# Altium PCB tinyCore.PcbDoc
Units mil, origin at the board's own origin, x right, y up, seen from the top; angles counter-clockwise.
Board outline 1900.96 x 1900.96 mil, 4 copper layers (Top Copper, Signal Layer 1, Signal Layer 2, Bottom Copper), stack 61.811 mil thick; 57 components, 45 nets, 264 pads, 90 vias.
Unrouted connection lines stored in the file: 6.
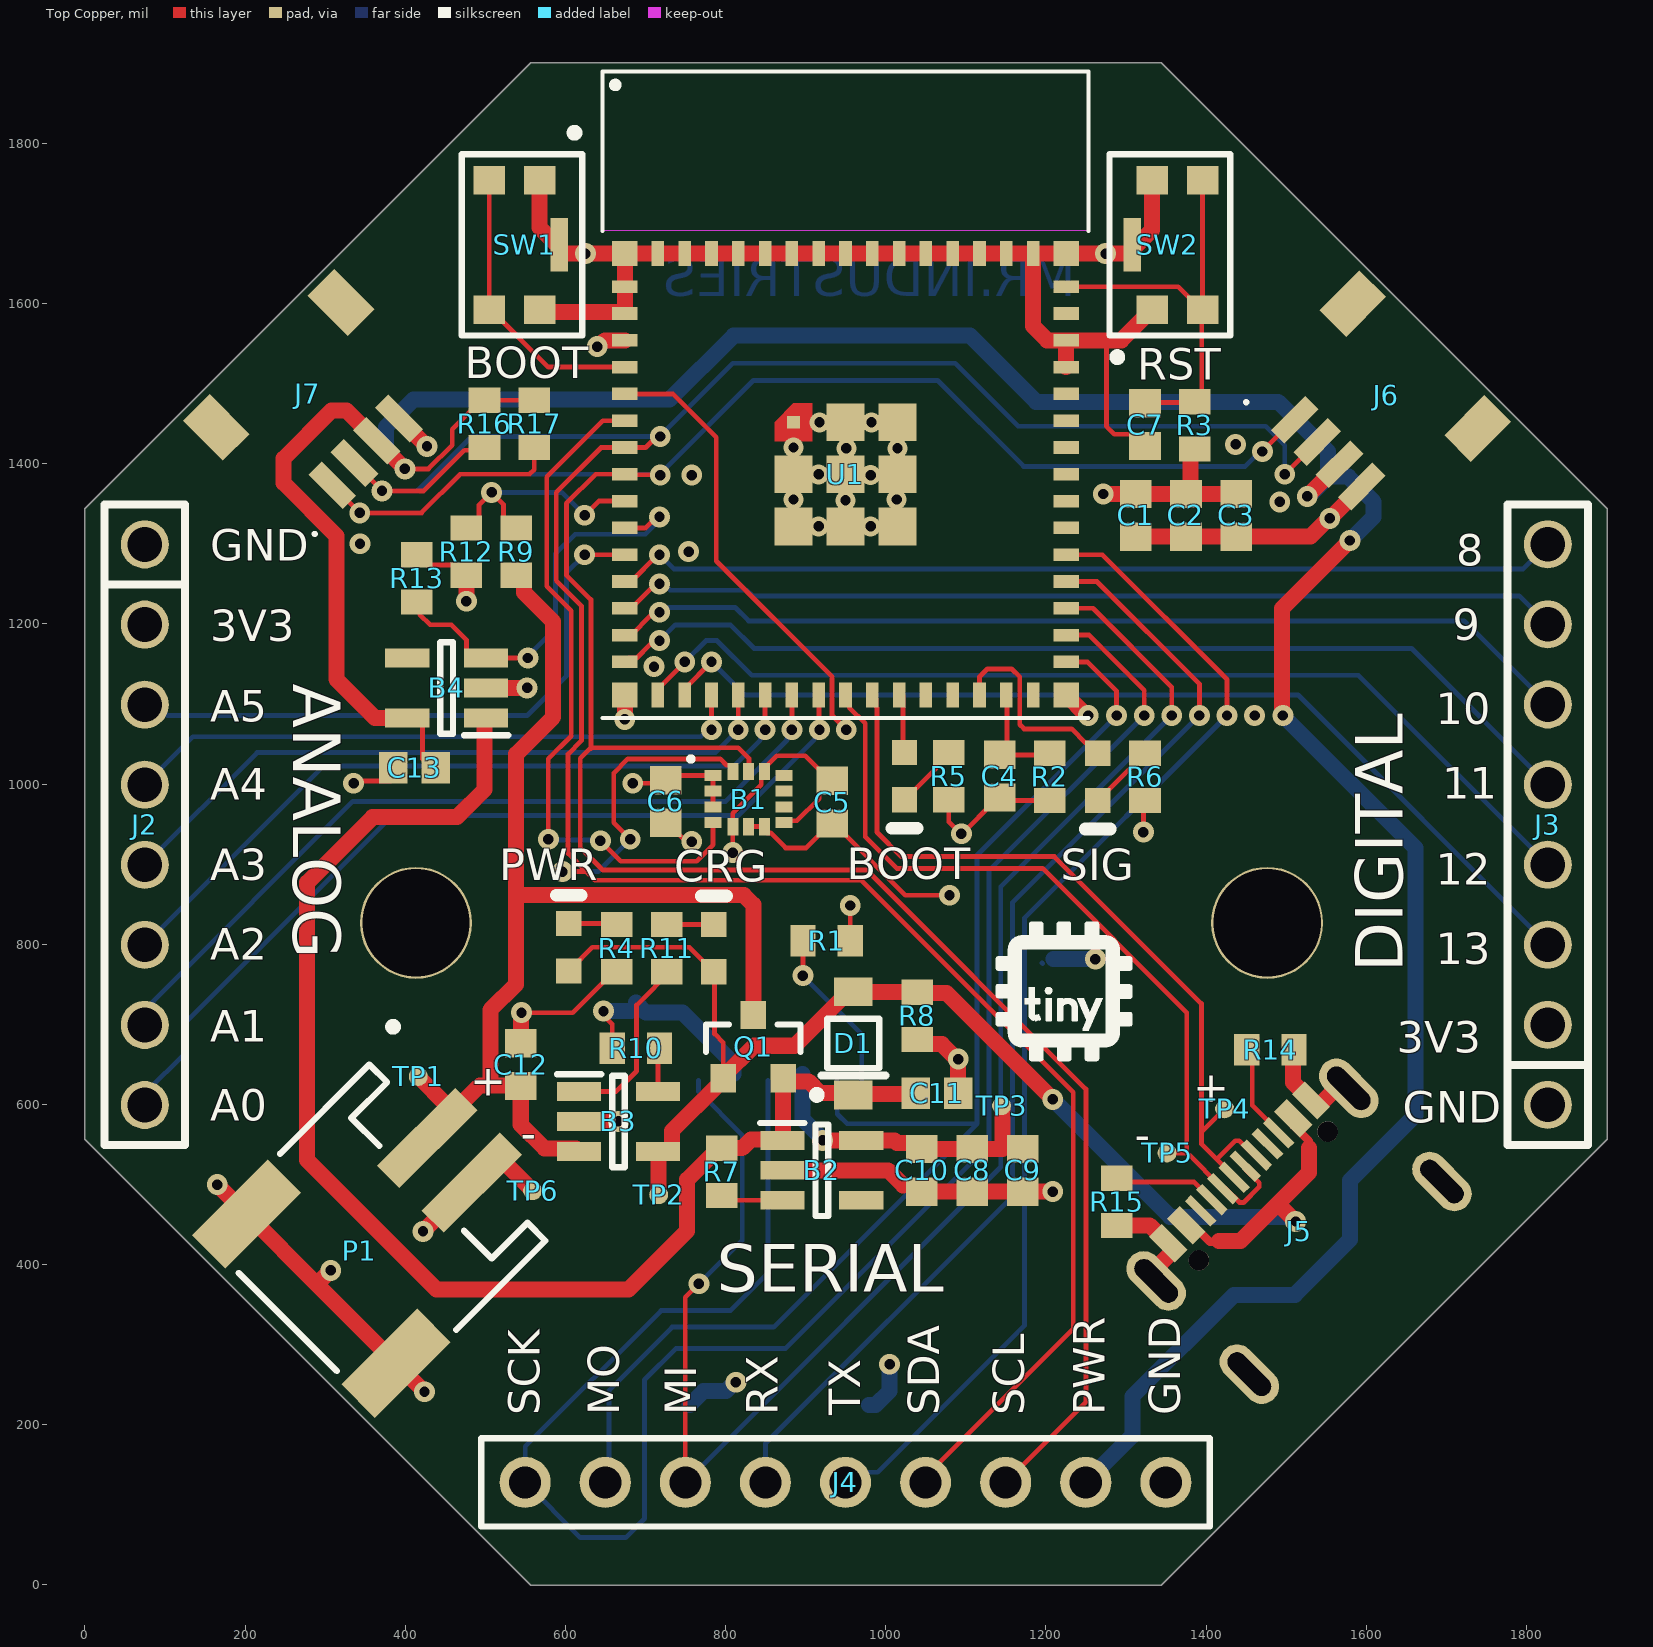
[diagram p0: Top Copper view]
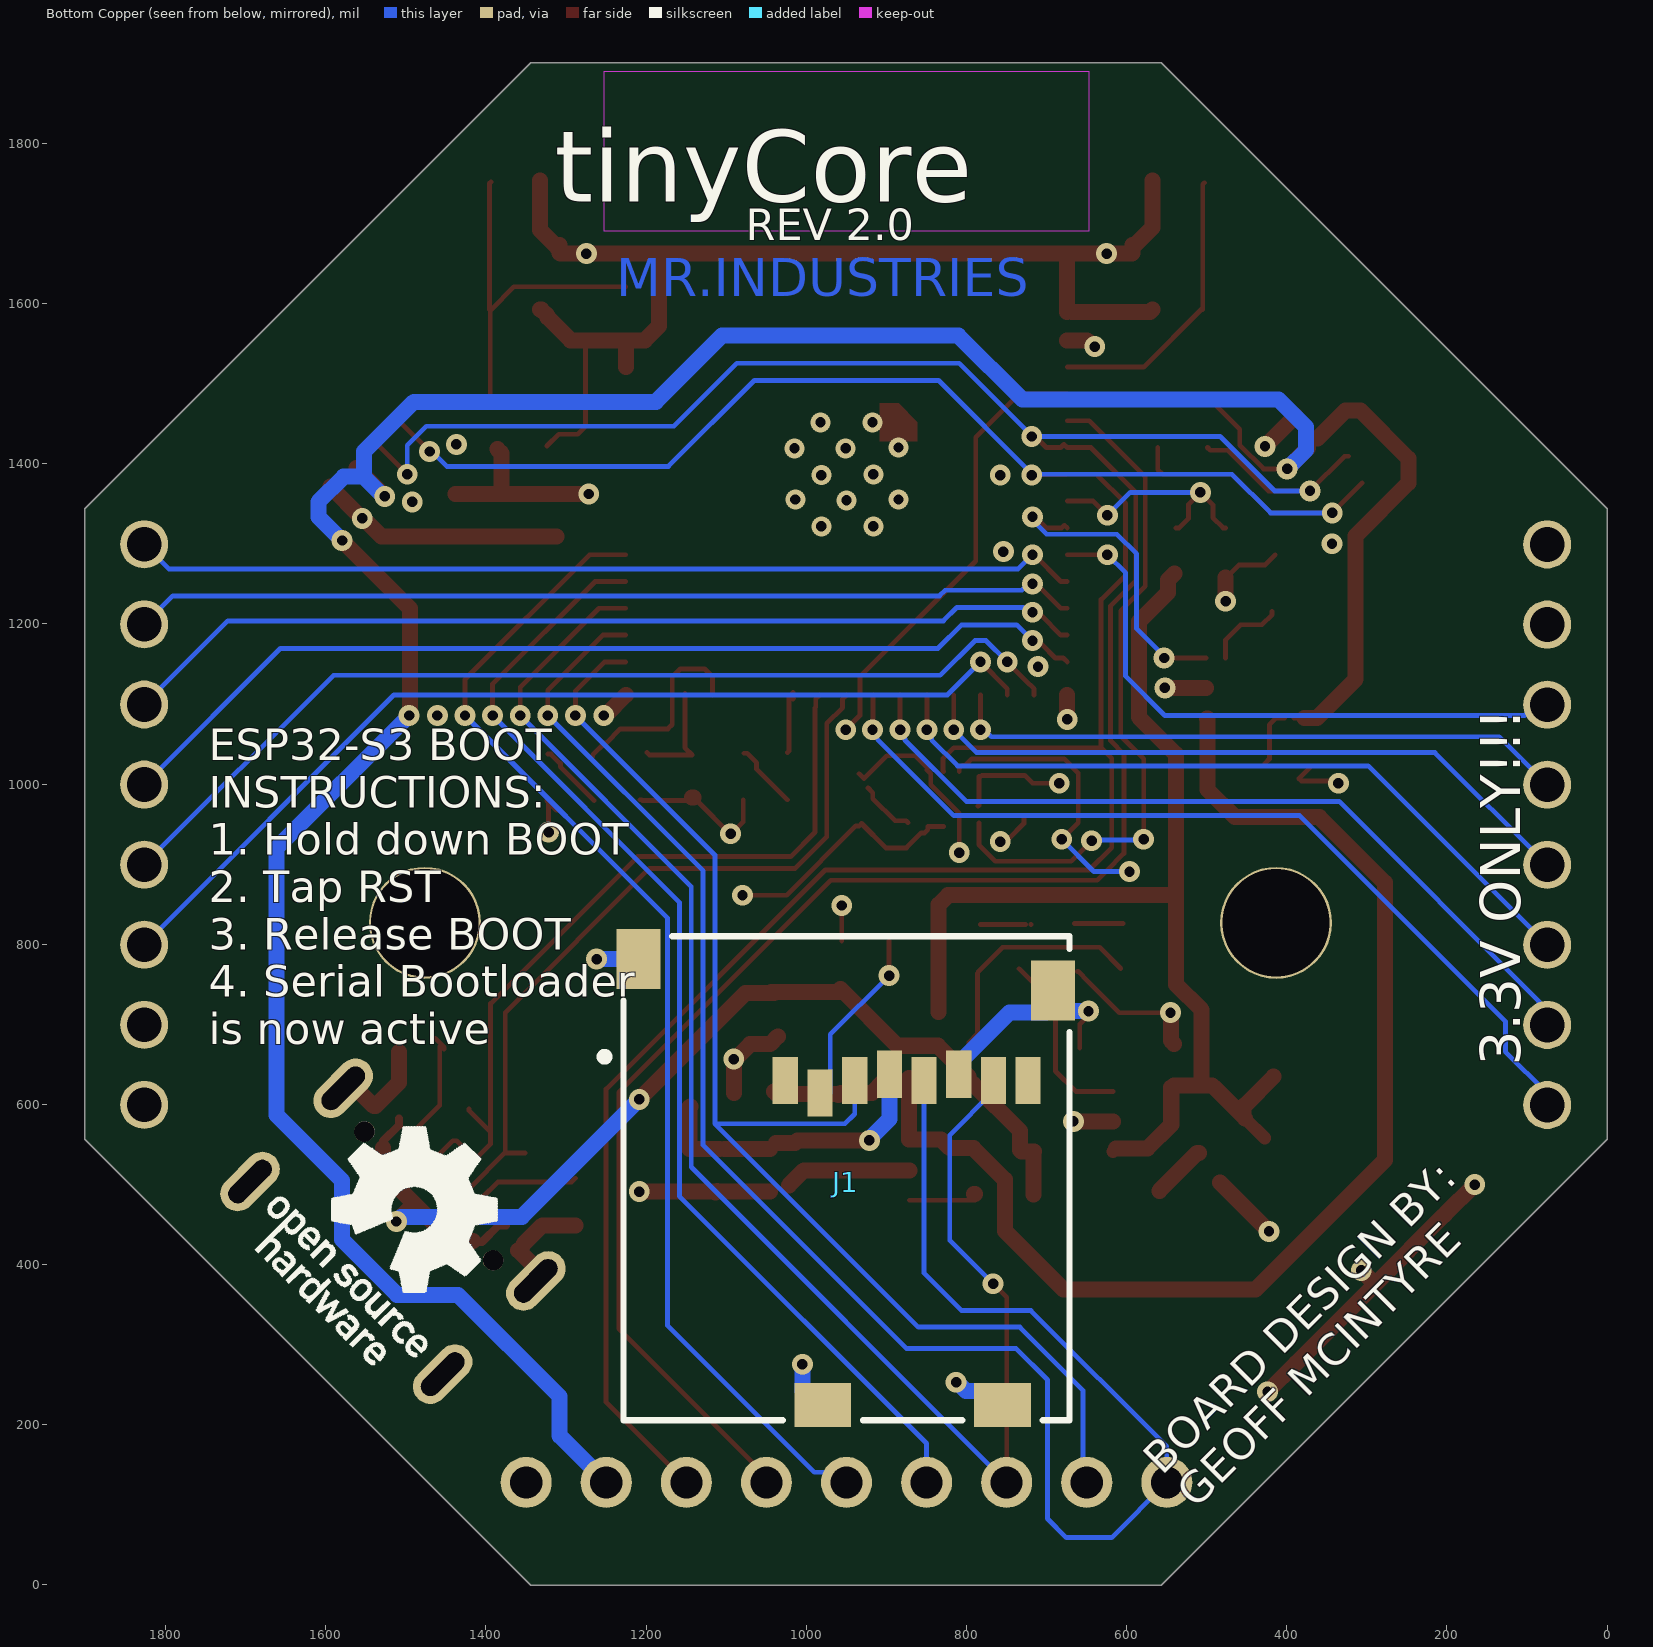
[diagram p1: Bottom Copper view, seen from below]
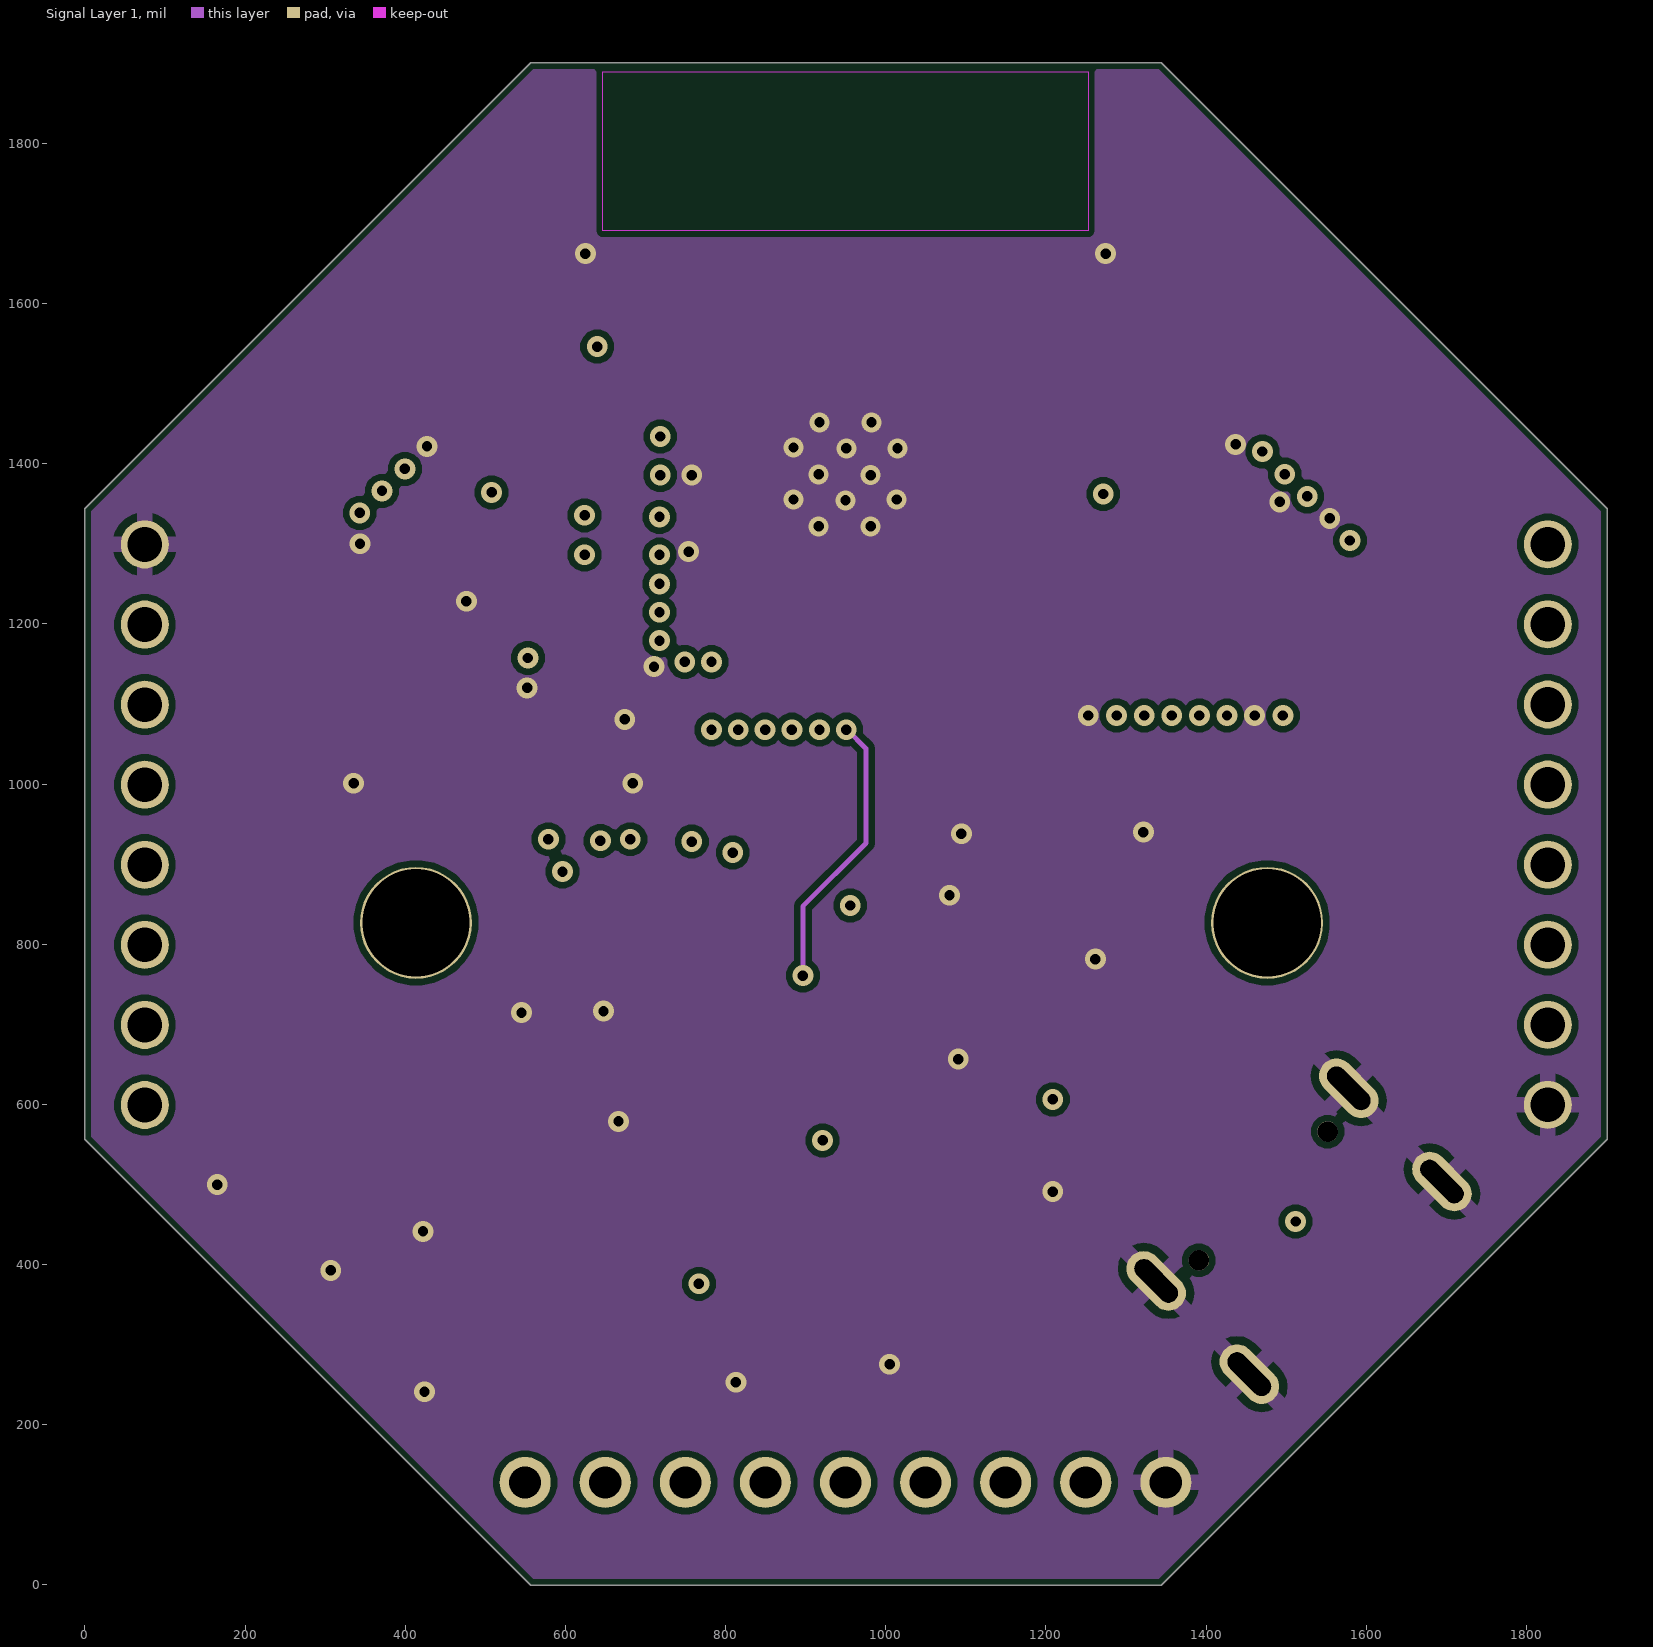
[diagram p2: Signal Layer 1]
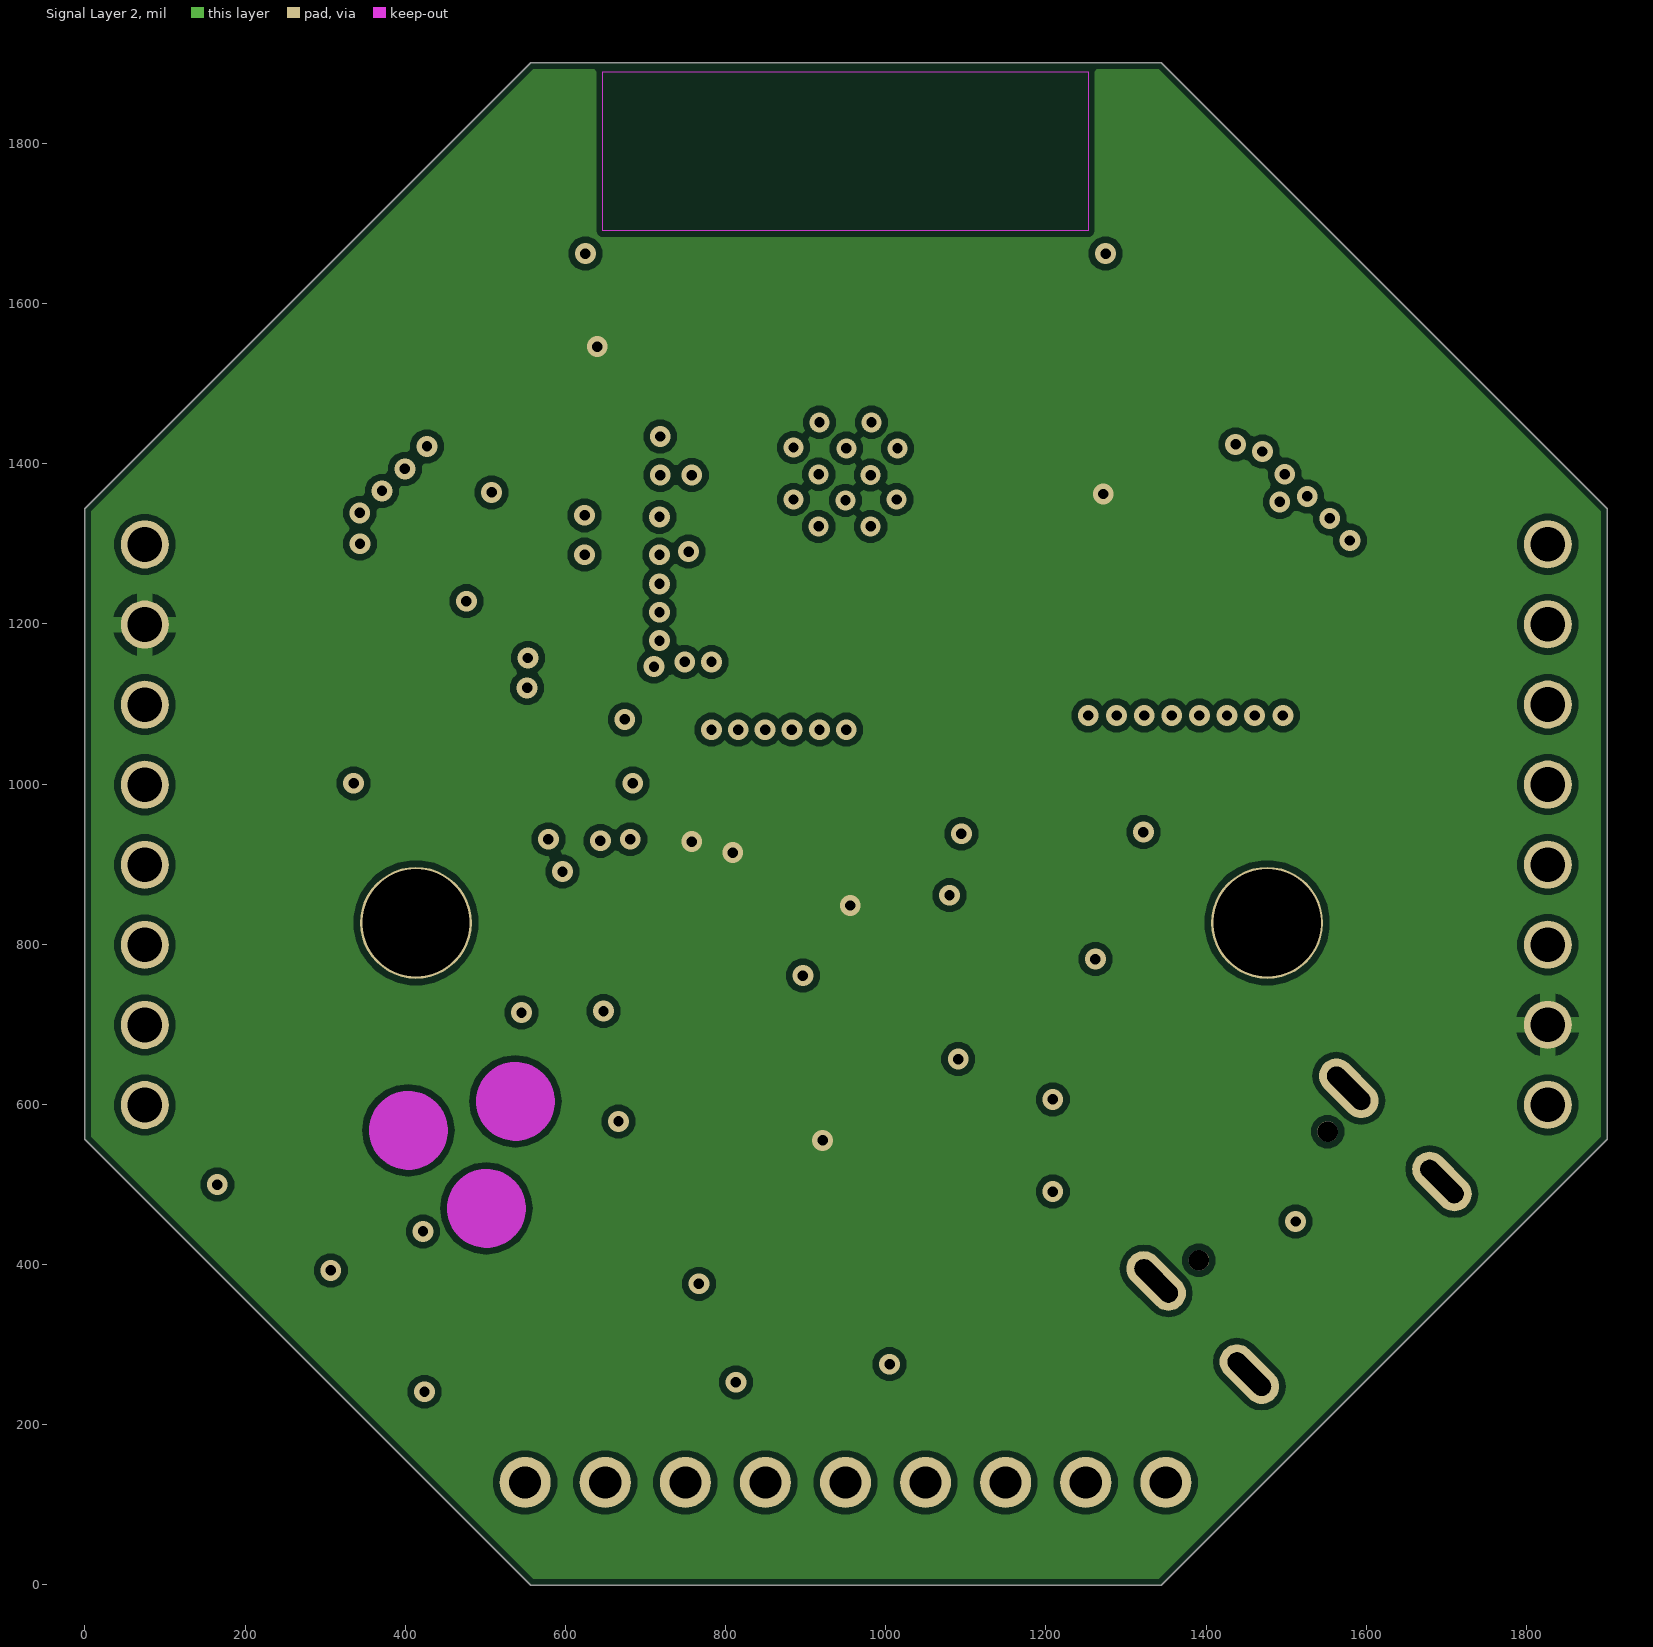
[diagram p3: Signal Layer 2]
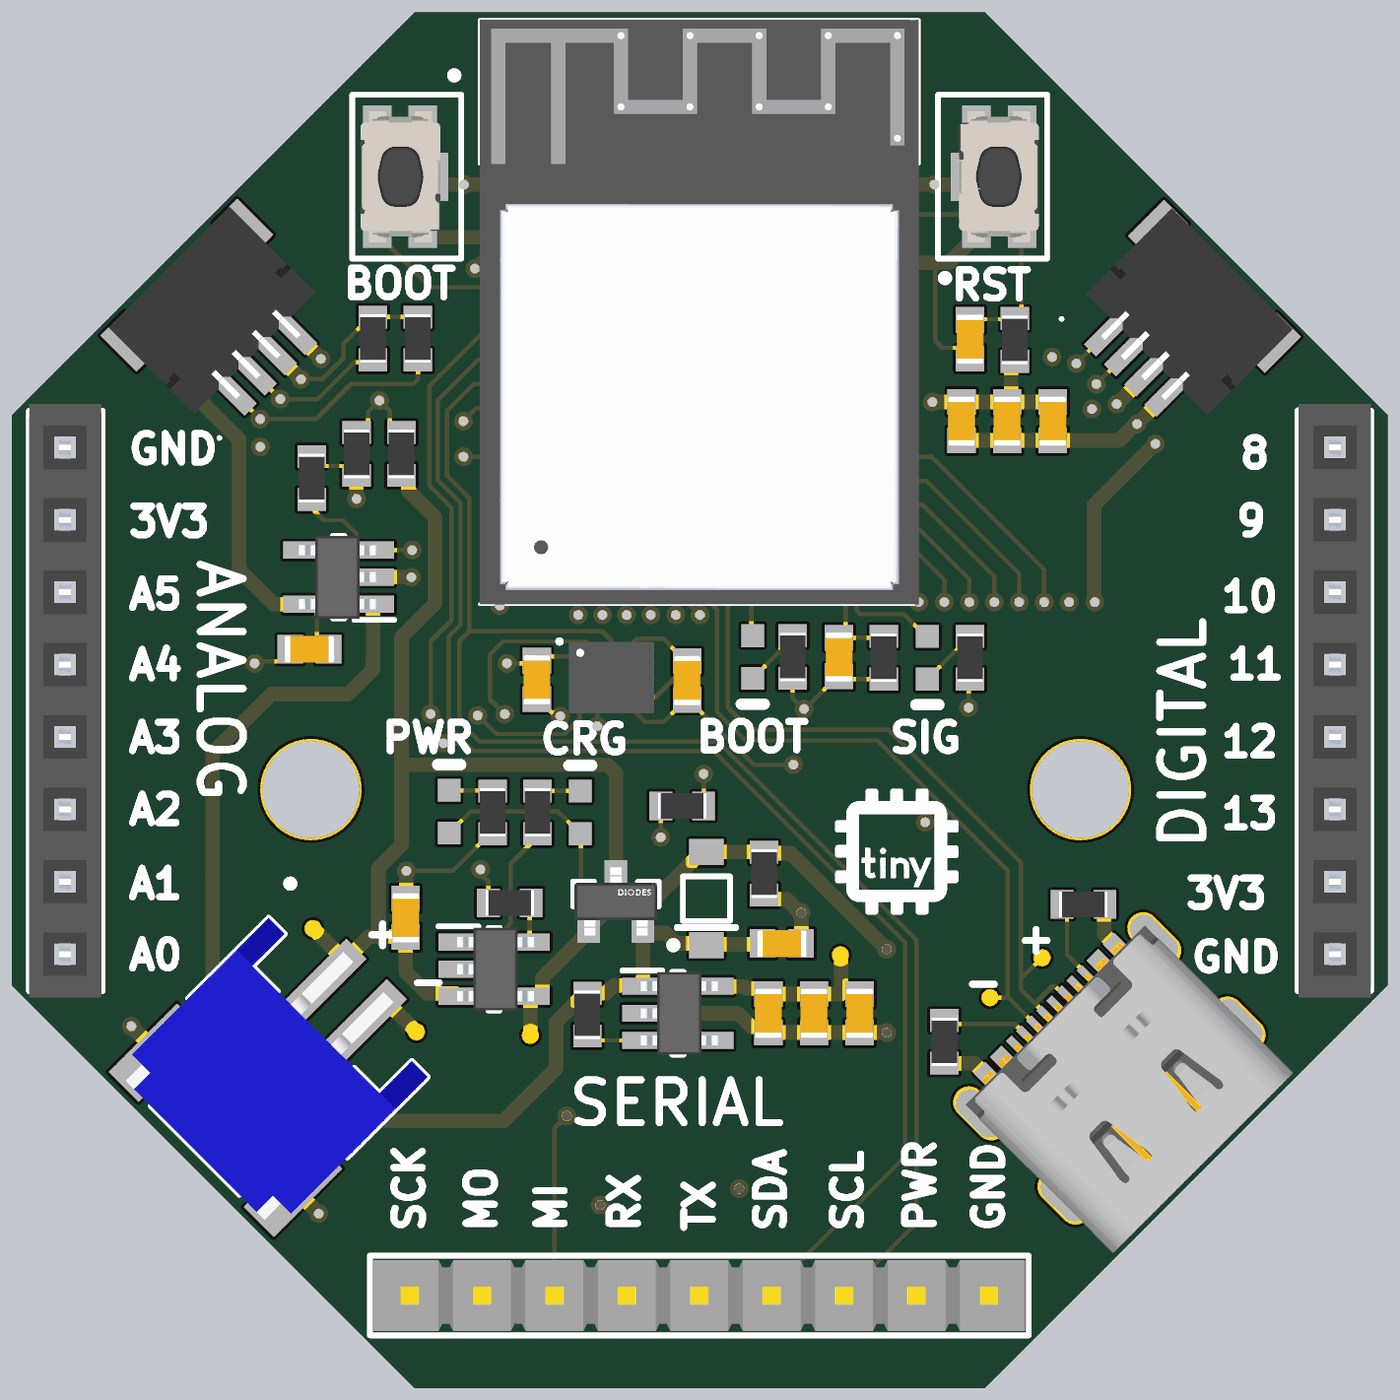
[diagram p4: 3D render of the assembled board from above, using the file's embedded part models]

## Layer stack, top to bottom
Top Mask: solder mask 0.5906, Solder Resist, Dk 3.8
Top Copper: signal copper 1.378
Dielectric 1: prepreg 7.874, 7628, Dk 4.6
Signal Layer 1: signal copper 0.689
Core: core 41.9291, FR-4, Dk 4.5
Signal Layer 2: signal copper 0.689
Dielectric 2: prepreg 7.874, 7628, Dk 4.6
Bottom Copper: signal copper 1.378
Bottom Mask: solder mask 0.5906, Solder Resist, Dk 3.8

## Board outline
-0.04,556.44 -0.04,1343.85 556.74,1900.62 1344.14,1900.62 1900.92,1343.85 1900.92,556.44 1344.14,-0.33 556.74,-0.33

## Design rules (kind name [scope] priority, off if disabled: settings)
BoardOutlineClearance [All] p1: gap=7.87 ignorepadtopadclearanceinfootprint=FALSE except(15.75: Arc-SplitBarrior Arc-SplitContinuation Track-SplitBarrior Track-SplitContinuation SMDPad-SplitBarrior SMDPad-SplitContinuation THPad-SplitBarrior THPad-SplitContinuation Via-SplitBarrior Via-SplitContinuation Fill-SplitBarrior Fill-SplitContinuation Poly-SplitBarrior Poly-SplitContinuation Region-SplitBarrior Region-SplitContinuation Text-SplitBarrior Text-SplitContinuation)
Clearance "Clearance Bottom Layer" [OnLayer('Bottom Layer')] p1: gap=8 ignorepadtopadclearanceinfootprint=TRUE except(10: Arc-Text Track-Text SMDPad-Text THPad-Text Via-Text Fill-Text Poly-Text Region-Text Text-Text)
Clearance "Clearance Top Layer" [OnLayer('Top Layer')] p2: gap=8 ignorepadtopadclearanceinfootprint=TRUE except(10: Arc-Text Track-Text SMDPad-Text THPad-Text Via-Text Fill-Text Poly-Text Region-Text Text-Text)
Clearance [All] p3: gap=7.87 ignorepadtopadclearanceinfootprint=FALSE except(3.5: Arc-Arc Arc-Track Arc-SMDPad Track-Track Track-SMDPad SMDPad-SMDPad; 5: Arc-Via Track-Via SMDPad-Via THPad-Via Via-Via; 10: Arc-Text Track-Text SMDPad-Text THPad-Text Via-Text Fill-Text Poly-Text Region-Text Text-Text)
HoleSize [All] p1: absolutevalues=TRUE maxlimit=248.03 minlimit=7.87 maxpercent=80.000 minpercent=20.000
MinimumAnnularRing [All] p1: minimumring=3
MinimumSolderMaskSliver [All] p1: minsoldermaskwidth=3.94
PolygonConnect PolygonConnect_1 [All] p1: thpad.connectstyle=Relief thpad.reliefconductorwidth=20 thpad.reliefentries=4 thpad.polygonreliefangle="90 Angle" thpad.airgapwidth=10 smdpad.connectstyle=Relief smdpad.reliefconductorwidth=20 smdpad.reliefentries=4 smdpad.polygonreliefangle="90 Angle" smdpad.airgapwidth=10 via.connectstyle=Direct via.reliefconductorwidth=20 via.reliefentries=4 via.polygonreliefangle="90 Angle" via.airgapwidth=10
RoutingCorners [All] p1: cornerstyle=Round minsetback=100 maxsetback=100
RoutingVias [All] p1: holewidth=13 width=26 viastyle="Through Hole" minholewidth=13 minwidth=26 maxholewidth=13 maxwidth=26
SilkToSilkClearance [All] p1: silktosilkclearance=3.94
SilkToSolderMaskClearance [IsPad] p1: minsilkscreentomaskgap=3.94 clearancetoexposedcopper=TRUE
SolderMaskExpansion SolderMaskExpansion_Via [IsVia] p1: expansion=4 istentingtop=TRUE
SolderMaskExpansion [All] p2: expansion=4 istentingtop=FALSE
SupplyNets "Schematic Supply Nets_3" [InNet('LED1')] p1: voltage=0.000
SupplyNets "Schematic Supply Nets_4" [InNet('GND')] p2: voltage=0.000
SupplyNets "Schematic Supply Nets" [InNet('3V3')] p3: voltage=0.000
SupplyNets "Schematic Supply Nets_2" [InNet('VBAT')] p4: voltage=0.000
SupplyNets "Schematic Supply Nets_1" [InNet('VBUS')] p5: voltage=0.000
Width IMP [InNetClass('IMP')] p1: maxlimit=20 minlimit=10 preferedwidth=20 minimp=50.000000 maximp=50.000000 favimp=50.000000
Width [All] p2: maxlimit=100 minlimit=3.5 preferedwidth=6 minimp=50.000000 maximp=50.000000 favimp=50.000000
25 further rules are at their usual default settings.

## Classes and differential pairs
component class IO: \ BOOT C7 J2 J3 J4 PWR R3 R4 R5 R6 SIG SW1 SW2
component class Power: B2 B3 B4 C8 C9 C10 C11 C12 C13 CRG D1 P1 Q1 R7 R8 R9 R10 R11 R12 R13 TP1 TP2 TP3 TP6
component class Serial: J5 J6 J7 R14 R15 R16 R17 TP4 TP5
component class tinyCore: B1 C1 C2 C3 C4 C5 C6 J1 R1 R2 U1

## Components (designator, comment, footprint, x,y, rotation, side; value= is the part's Value field where it differs from the comment)
B1 "LSM6DS3TR" LSM6DS3TR 828.74,981.3 r0 top
B2 "AP2112K-3.3TRG1" SOT95P270X145-5N 920.28,517.72 r0 top
B3 "MCP73831T-2ACI_OT" SOT95P270X145-5N 666.34,578.74 r0 top
B4 "AP2112K-3.3TRG1" SOT95P270X145-5N 451.77,1120.08 r180 top
BOOT "HSMA-C190" AVAG-HSMX-C190_V 1023.62,1009.84 r270 top
C1 "Capacitor 10 uF +/- 0.25 uF 50 V 0603" CAPC1608X87X35NL15T15 1312.01,1335.63 r90 top value=10uF
C2 "Capacitor 10 uF +/- 0.25 uF 50 V 0603" CAPC1608X87X35NL15T15 1375,1335.63 r90 top value=10uF
C3 "Capacitor 10 uF +/- 0.25 uF 50 V 0603" CAPC1608X87X35NL15T15 1437.99,1335.63 r90 top value=10uF
C4 "Capacitor 10 uF +/- 0.25 uF 50 V 0603" CAPC1608X87X35NL15T15 1142.72,1009.84 r90 top value=10uF
C5 "Capacitor  0.1 uF 50 V 0603" CAPC1608X87X35NL15T15 933.07,977.36 r90 top value=0.1uF
C6 "Capacitor  0.1 uF 50 V 0603" CAPC1608X87X35NL15T15 725.39,978.35 r270 top value=0.1uF
C7 "Capacitor 10 uF +/- 0.25 uF 50 V 0603" CAPC1608X87X35NL15T15 1323.82,1448.82 r90 top value=10uF
C8 "Capacitor 10 uF +/- 0.25 uF 50 V 0603" CAPC1608X87X35NL15T15 1108.27,517.72 r90 top value=10uF
C9 "Capacitor 10 uF +/- 0.25 uF 50 V 0603" CAPC1608X87X35NL15T15 1171.26,517.72 r90 top value=10uF
C10 "Capacitor 10 uF +/- 0.25 uF 50 V 0603" CAPC1608X87X35NL15T15 1045.28,517.72 r90 top value=10uF
C11 "Capacitor 10 uF +/- 0.25 uF 50 V 0603" CAPC1608X87X35NL15T15 1063.98,614.17 r180 top value=10uF
C12 "Capacitor 10 uF +/- 0.25 uF 50 V 0603" CAPC1608X87X35NL15T15 544.29,649.61 r270 top value=10uF
C13 "Capacitor 10 uF +/- 0.25 uF 50 V 0603" CAPC1608X87X35NL15T15 411.42,1020.67 r0 top value=10uF